# Altium PCB PCB1.PcbDoc
Units mm, origin at the board's own origin, x right, y up, seen from the top; angles counter-clockwise.
Board outline 128.27 x 60 mm, 2 copper layers (Top Layer, Bottom Layer); 147 components, 98 nets, 406 pads, 161 vias.
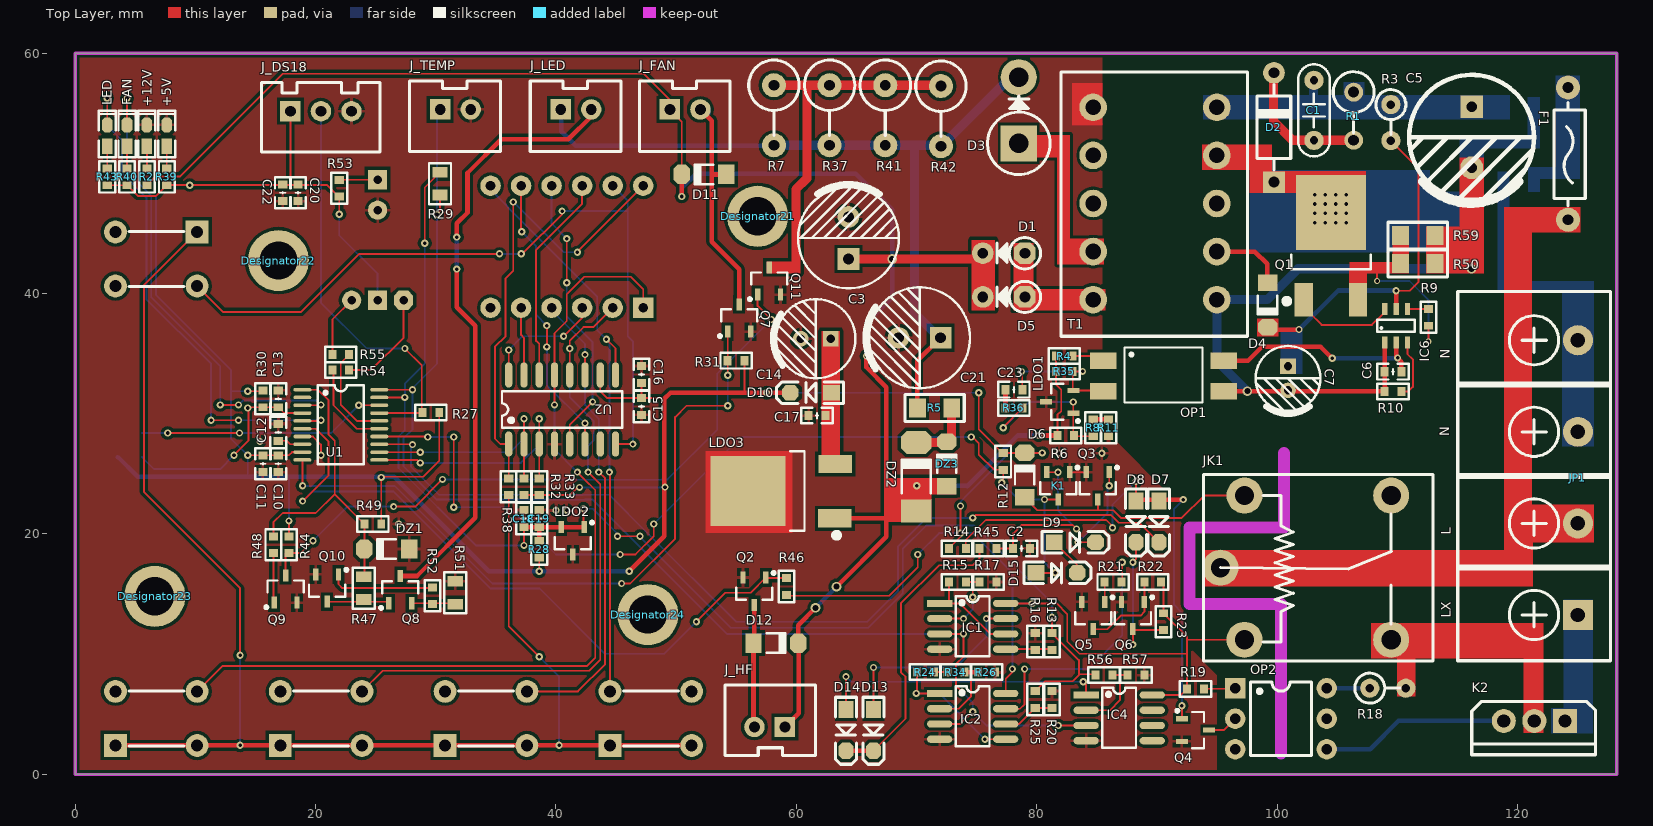
[diagram p0: Top Layer view]
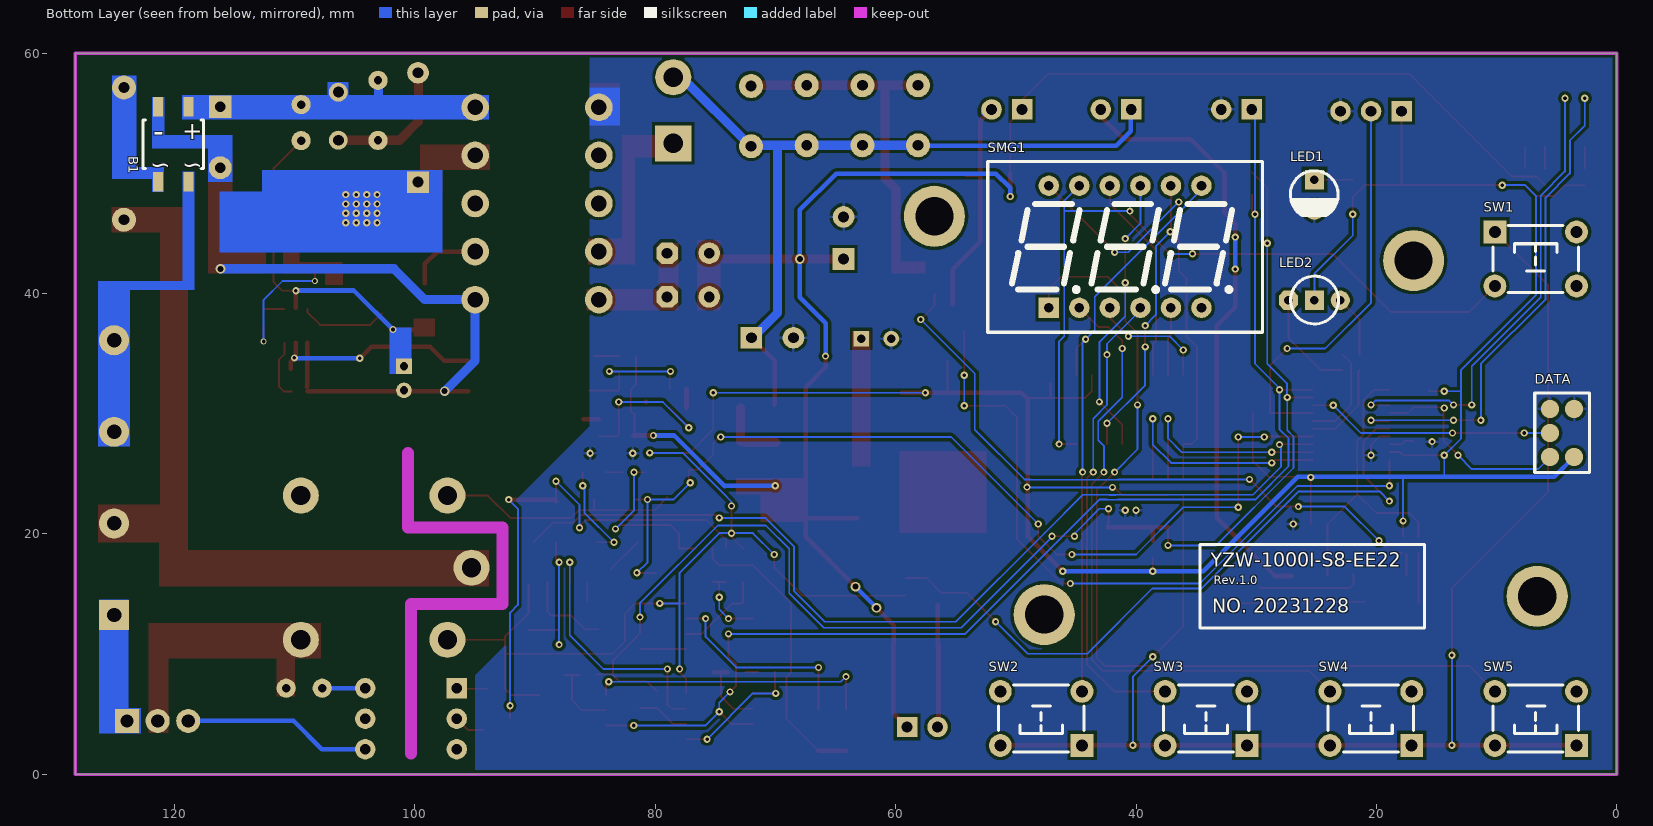
[diagram p1: Bottom Layer view, seen from below]

## Layer stack, top to bottom
Top Solder: solder mask 0.0102, Solder Resist, Dk 3.5
Top Layer: signal copper 0.0356
Dielectric 1: dielectric 0.32, FR-4, Dk 4.8
Bottom Layer: signal copper 0.0356
Bottom Solder: solder mask 0.0102, Solder Resist, Dk 3.5

## Board outline
0,0 0,60 128.27,60 128.27,0

## Design rules (kind name [scope] priority, off if disabled: settings)
Clearance [All] p1: gap=0.254
PolygonConnect [All] p1: connectstyle=Relief reliefconductorwidth=0.254 reliefentries=4 polygonreliefangle="90 Angle" airgapwidth=0.254
RoomDefinition LED [InComponentClass('LED')] p1: confinementstyle=ConfineIn formatcopy=TRUE lockcomponents=FALSE outline -0.127,-0.325 77.597,-0.325 77.597,60.071 -0.127,60.071
RoomDefinition 5V [InComponentClass('5V')] p2: confinementstyle=ConfineIn formatcopy=TRUE lockcomponents=FALSE outline -0.254,-0.127 77.597,-0.127 77.597,59.817 -0.254,59.817
RoomDefinition MCU [InComponentClass('MCU')] p3: confinementstyle=ConfineIn formatcopy=TRUE lockcomponents=FALSE outline -0.381,0 77.724,0 77.724,60 -0.381,60
RoomDefinition LM358 [InComponentClass('LM358')] p4: confinementstyle=ConfineIn formatcopy=TRUE lockcomponents=FALSE outline -0.127,-0.198 128.016,-0.198 128.016,60.198 -0.127,60.198
RoomDefinition AC [InComponentClass('AC')] p5: confinementstyle=ConfineIn formatcopy=TRUE lockcomponents=FALSE outline 0,-0.254 128.27,-0.254 128.27,60 0,60
RoutingVias [All] p1: holewidth=0.3 width=0.6 viastyle="Through Hole" minholewidth=0.3 minwidth=0.6 maxholewidth=0.5 maxwidth=1
SolderMaskExpansion [All] p1: expansion=0.102
UnpouredPolygon [All] p1: allowunpoured=FALSE
Width [All] p1: maxlimit=0.762 minlimit=0.152 preferedwidth=0.381
29 further rules are at their usual default settings.

## Classes and differential pairs
component class AC: +5V +12V B1 C1 C3 C5 C6 C7 C21 C23 D1 D2 D3 D4 D5 DZ2 DZ3 F1 IC6 JP1 LDO1 OP1 Q1 Q9 Q11 R1 R2 R3 R4 R5 R6 R7 R8 R9 R10 R11 R35 R36 R37 R39 R41 R42 R44 R48 R50 R59 T1
component class LM358: C2 D6 D7 D8 D9 D13 D14 D15 IC1 IC2 IC4 JK1 K1 K2 OP2 Q3 Q4 Q5 Q6 R12 R13 R14 R15 R16 R17 R18 R19 R20 R21 R22 R23 R24 R25 R26 R34 R45 R56 R57
component class MCU: C10 C11 C12 C13 C15 C16 C18 C19 C20 C22 D11 D12 DATA FAN J_DS18 J_FAN J_HF J_TEMP LDO2 LED LED1 LED2 Q2 Q7 R27 R28 R29 R30 R31 R32 R33 R38 R40 R43 R46 R53 R54 R55 SMG1 SW1 SW2 SW3 SW4 SW5 U1 U2
component class 5V: C14 C17 D10 LDO3
component class LED: DZ1 J_LED Q8 Q10 R47 R49 R51 R52

## Components (designator, comment, footprint, x,y, rotation, side; value= is the part's Value field where it differs from the comment)
+5V "G" "LED 0603B" 7.62,53.142 r90 top
+12V "Y" "LED 0603B" 5.969,53.142 r90 top
B1 "MB10F" "D MBF" 120.117,52.426 r90 bottom
C1 "04.Cap" "CY 5*7" 103.073,55.245 r270 top
C2 "04.Cap" "C 0603" 78.74,18.796 r0 top
C3 "05.Cap-EC" "CAP 16v1000uf（8*11）" 64.338,44.628 r90 top
C5 "05.Cap-EC" "CAP 450v10uf（10*16）" 116.205,53.01 r270 top
C6 "04.Cap" "C 0603" 109.652,33.503 r180 top
C7 "05.Cap-EC" "CAP 50v10uf（5*8）" 100.914,32.944 r270 top
C10 "04.Cap" "C 0603" 16.891,25.843 r270 top
C11 "04.Cap" "C 0603" 15.621,25.843 r270 top
C12 "04.Cap" "C 0603" 16.891,28.448 r90 top
C13 "04.Cap" "C 0603" 16.891,31.242 r90 top
C14 "05.Cap-EC" "CAP 16v330uf（6*8）" 61.62,36.246 r180 top
C15 "04.Cap" "C 0603" 47.117,30.607 r270 top
C16 "04.Cap" "C 0603" 47.117,33.274 r90 top
C17 "04.Cap" "C 0603" 61.722,29.845 r180 top
C18 "04.Cap" "C 0603" 37.338,21.274 r90 top
C19 "04.Cap" "C 0603" 38.608,21.274 r90 top
C20 "04.Cap" "C 0603" 18.542,48.387 r270 top
C21 "05.Cap-EC" "CAP 63V100uf（8*11）" 70.256,36.322 r180 top
C22 "04.Cap" "C 0603" 17.272,48.387 r270 top
C23 "04.Cap" "C 0603" 78.105,32.004 r180 top
D1 "1N5819" DO-41V 77.267,43.358 r180 top
D2 "FR107" DO-41 99.746,53.823 r90 top
D3 "FR307" DO-201ADV 78.511,52.502 r90 top
D4 "1N4148" "D 1N4148-LL34" 99.212,39.065 r270 top
D5 "1N5819" DO-41V 77.267,39.726 r180 top
D6 "1N4148" "D 1N4148-LL34" 78.994,24.892 r90 top
D7 "1N5819" "D 1N5819W-SOD123" 90.17,21.026 r270 top
D8 "1N5819" "D 1N5819W-SOD123" 88.265,21.026 r270 top
D9 "1N4007" "D 1N4007-SOD123" 83.185,19.304 r0 top
D10 "1N5819" "D 1N5819W-SOD123" 61.214,31.75 r180 top
D11 "1N4148" "D 1N4148-LL34" 52.324,49.911 r180 top
D12 "1N4148" "D 1N4148-LL34" 58.293,10.922 r0 top
D13 "1N5819" "D 1N5819W-SOD123" 66.421,3.683 r270 top
D14 "1N5819" "D 1N5819W-SOD123" 64.135,3.683 r270 top
D15 "1N4007" "D 1N4007-SOD123" 81.661,16.764 r0 top
DATA "WR_STM-SWIM" MCU_WRITE 4.555,28.399 r90 bottom
Designator21 "Comment" "M3 125X200" 56.784,46.433 r0 top
Designator22 "Comment" "M3 125X200" 16.906,42.75 r0 top
Designator23 "Comment" "M3 125X200" 6.619,14.81 r0 top
Designator24 "Comment" "M3 125X200" 47.64,13.286 r0 top
DZ1 "4V7" "D ZMM4V7-LL34" 25.923,18.747 r180 top
DZ2 "27V" "D 1N4750/1W/27V/LL41" 69.977,24.765 r90 top
DZ3 "27V-LL34" "D ZMM4V7-LL34" 72.517,25.832 r90 top
F1 "11.Fuse" "FU 3x10" 124.221,51.64 r90 top
FAN "R" "LED 0603B" 4.318,53.142 r90 top
IC1 "LM358" SOP8 74.676,12.319 r0 top
IC2 "LM358" SOP8 74.676,4.826 r0 top
IC4 "LM358" SOP8 86.868,4.699 r0 top
IC6 "OB2263" SOT23-6L 109.906,37.313 r0 top
J_DS18 "Pin03" "XH2.54 3P" 20.447,55.174 r0 top
J_FAN "Pin02" "XH2.54 2P" 50.749,55.321 r0 top
J_HF "Pin02" "XH2.54 2P" 57.785,3.937 r180 top
J_LED "Pin02" "XH2.54 2P" 41.671,55.323 r0 top
J_TEMP "Pin02" "XH2.54 2P" 31.638,55.323 r0 top
JK1 "SRD-05VDC-SL-C" SRD-C_B 97.297,23.192 r0 top
JP1 "Pin04" KF7620-4P 121.387,24.689 r90 top
K1 "MCR100" "IGBT MCR100-SOT23" 81.788,24.003 r270 top
K2 "BT139" "IGBT BT139" 121.412,4.445 r180 top
LDO1 "TL431" "P TL431-SOT23" 81.915,30.988 r180 top
LDO2 "TL431" "P TL431-SOT23" 41.402,19.431 r270 top
LDO3 "78xx" 78M05 60.173,23.571 r90 top
LED "R" "LED 0603B" 2.667,53.142 r90 top
LED1 "R" "LED 3mm R" 25.161,48.211 r270 bottom
LED2 "15.Diode - PLED - double" "LED 3mm R/G" 25.161,39.448 r0 bottom
OP1 "PC817" "OP PC817-SMD" 90.551,33.147 r0 top
OP2 "PC817" "OP MOC3041" 100.33,4.628 r0 top
Q1 "4N60" FET-AOD4N60/600V/4A-TO252 104.496,42.545 r0 top
Q2 "AO3400" FET-AO3400-SOT23 56.515,15.24 r270 top
Q3 "S8050" BJT-S8050-SOT23 85.09,24.003 r270 top
Q4 "S8050" BJT-S8050-SOT23 93.218,3.683 r0 top
Q5 "S8050" BJT-S8050-SOT23 84.709,13.208 r270 top
Q6 "S8050" BJT-S8050-SOT23 88.011,13.208 r270 top
Q7 "AO3400" FET-AO3400-SOT23 55.245,37.973 r90 top
Q8 "MMBTA05" BJT-MMBTA05/60V/0.5A-SOT23 27.051,15.367 r90 top
Q9 "S8050" BJT-S8050/40V/1.5A-SOT23 17.501,15.418 r90 top
Q10 "S8050" BJT-S8050-SOT23 20.955,15.494 r270 top
Q11 "MMBTA05" BJT-MMBTA05/60V/0.5A-SOT23 57.734,41.046 r90 top
R1 "47K" "RS 1/2W-V4" 106.375,54.762 r270 top
R2 "2K" "R 0603" 5.969,49.713 r270 top
R3 "1M" "RS 1/4W-V3" 109.474,54.229 r270 top
R4 "1K" "R 0603" 82.296,34.798 r180 top
R5 "10R" "R 1206" 71.501,30.48 r0 top
R6 "20K" "R 0603" 82.423,28.194 r180 top
R7 "4K" "RS 1W-V5" 58.141,54.839 r270 top
R8 "4.7K" "R 0603" 84.709,28.829 r270 top
R9 "1K" "R 0603" 112.598,38.024 r270 top
R10 "100K" "R 0603" 109.652,31.852 r0 top
R11 "470R" "R 0603" 85.979,28.829 r90 top
R12 "4.7K" "R 0603" 77.216,26.035 r90 top
R13 "2K" "R 0603" 81.28,11.049 r90 top
R14 "10K" "R 0603" 73.406,18.796 r180 top
R15 "20K" "R 0603" 73.406,16.002 r180 top
R16 "10K" "R 0603" 79.883,11.049 r270 top
R17 "1K" "R 0603" 75.946,16.002 r180 top
R18 "300R" "RS 1/4W-V3" 109.22,7.168 r0 top
R19 "470R" "R 0603" 93.218,7.112 r0 top
R20 "2K" "R 0603" 79.883,6.223 r90 top
R21 "1K" "R 0603" 86.36,16.002 r0 top
R22 "10K" "R 0603" 89.662,16.002 r0 top
R23 "10K" "R 0603" 90.551,12.7 r90 top
R24 "4.7K" "R 0603" 70.739,8.509 r180 top
R25 "10K" "R 0603" 81.28,6.223 r270 top
R26 "1K" "R 0603" 75.819,8.509 r180 top
R27 "4.7K" "R 0603" 29.591,30.099 r0 top
R28 "200R" "R 0603" 38.608,18.734 r270 top
R29 "10K 1%" "R 0805" 30.353,49.149 r90 top
R30 "10K" "R 0603" 15.621,31.242 r90 top
R31 "10K" "R 0603" 54.991,34.417 r0 top
R32 "10K" "R 0603" 37.338,23.932 r270 top
R33 "10K" "R 0603" 38.608,23.932 r270 top
R34 "2K" "R 0603" 73.279,8.509 r180 top
R35 "*" "R 0603" 82.296,33.528 r180 top
R36 "3.3K" "R 0603" 78.105,30.48 r0 top
R37 "4K" "RS 1W-V5" 62.772,54.839 r270 top
R38 "2K" "R 0603" 36.068,23.932 r270 top
R39 "1K" "R 0603" 7.62,49.713 r270 top
R40 "1K" "R 0603" 4.318,49.713 r270 top
R41 "4K" "RS 1W-V5" 67.403,54.839 r270 top
R42 "4K" "RS 1W-V5" 72.034,54.762 r270 top
R43 "1K" "R 0603" 2.667,49.713 r270 top
R44 "10K" "R 0603" 17.78,19.101 r90 top
R45 "4.7K" "R 0603" 75.946,18.796 r0 top
R46 "10K" "R 0603" 59.182,15.621 r270 top
R47 "1K" "R 0805" 24.003,15.494 r270 top
R48 "1K" "R 0603" 16.485,19.101 r270 top
R49 "4.7k" "R 0603" 24.765,20.828 r0 top
R50 "1R" "R 1206" 111.711,42.516 r180 top
R51 "13R" "R 0805" 31.623,15.113 r270 top
R52 "1K" "R 0603" 29.718,14.859 r270 top
R53 "1K" "R 0603" 21.971,48.768 r270 top
R54 "470R" "R 0603" 22.098,33.655 r0 top
R55 "470R" "R 0603" 22.098,34.925 r180 top
R56 "10K" "R 0603" 85.598,8.255 r180 top
R57 "100K" "R 0603" 88.265,8.255 r180 top
R59 "1R" "R 1206" 111.711,44.816 r180 top
SMG1 "3631A" "SMG 0.36-3P" 40.909,43.893 r180 bottom
SW1 "TSW DIP-6x6" "TSW DIP-6*6" 6.746,42.877 r180 bottom
SW2 "TSW DIP-6x6" "TSW DIP-6*6" 47.894,4.65 r0 bottom
SW3 "TSW DIP-6x6" "TSW DIP-6*6" 34.178,4.65 r0 bottom
SW4 "TSW DIP-6x6" "TSW DIP-6*6" 20.462,4.65 r0 bottom
SW5 "TSW DIP-6x6" "TSW DIP-6*6" 6.746,4.65 r0 bottom
T1 "EE22-2" EE22 94.996,39.497 r180 top
U1 "STM8S003F3" TSSOP20 22.098,29.083 r0 top
U2 "TM1650" SOP16 40.513,30.353 r90 top

## Footprints (in the part's own frame and the unit in brackets; to place one, negate y for a bottom-side part, rotate by r counter-clockwise, add the part's x,y. Pads: shape width x height; smd on the part's side, far side on the other; paste and mask are expansions set on the pad)
78M05 [mil] "252晶体管"
  rect 230x245 smd: GND(0,165.35)
  rect 60x110 smd: VIN(-89.55,-119.77) VOUT(88.45,-120.77)
  silkscreen extent -153,-133 130,28, body extent -128,-120 128,251, height 91
BJT-MMBTA05/60V/0.5A-SOT23 [mm]
  rect 1x0.45 smd: B(-1.134,0.95) C(1.134,0) E(-1.134,-0.95)
  silkscreen extent -1.64,-1.5 0.71,1.72, body extent -1.19,-1.5 1.21,1.5, height 1.05
BJT-S8050-SOT23 [mm]
  rect 1x0.45 smd: B(-1.134,0.95) C(1.134,0) E(-1.134,-0.95)
  silkscreen extent -1.64,-1.5 0.71,1.73, body extent -1.19,-1.5 1.21,1.5, height 1.05
BJT-S8050/40V/1.5A-SOT23 [mm]
  rect 1x0.45 smd: B(-1.134,0.95) C(1.134,0) E(-1.134,-0.95)
  silkscreen extent -1.64,-1.5 0.71,1.72, body extent -1.19,-1.5 1.21,1.5, height 1.05
"C 0603" [mm]
  rect 0.662x0.762 smd: 1(-0.7,0) 2(0.7,0)
  silkscreen extent -1.3,-0.65 1.3,0.65, body extent -0.8,-0.41 0.8,0.41, height 0.81
"CAP 16v330uf（6*8）" [mm]
  rect 1.3x1.3 hole 0.7: 1(-1.25,0)
  round 1.3 hole 0.7: 2(1.25,0)
  silkscreen extent -3.3,-3.3 3.56,3.3, body extent -3.15,-3.15 3.16,3.15, height 7.04
"CAP 16v1000uf（8*11）" [mm] "脚距3.5mm直径8mm高度11.5mm"
  rect 1.8x1.8 hole 0.9: 1(-1.75,0)
  round 1.8 hole 0.9: 2(1.75,0)
  silkscreen extent -4.2,-4.2 4.5,4.2, body extent -4,-4 4.01,4, height 11.54
"CAP 50v10uf（5*8）" [mm]
  rect 1.3x1.3 hole 0.7: 1(-1,0)
  round 1.3 hole 0.7: 2(1,0)
  silkscreen extent -2.7,-2.7 2.96,2.7, body extent -2.5,-2.5 2.51,2.5, height 11.04
"CAP 63V100uf（8*11）" [mm] "脚距3.5mm直径8mm高度11.5mm"
  rect 1.8x1.8 hole 0.9: 1(-1.75,0)
  round 1.8 hole 0.9: 2(1.75,0)
  silkscreen extent -4.2,-4.2 4.5,4.2, body extent -4,-4 4.01,4, height 11.54
"CAP 450v10uf（10*16）" [mm] "脚距5mm直径10mm高度16mm"
  rect 1.9x1.9 hole 0.9: 1(-2.54,0)
  round 1.9 hole 0.9: 2(2.54,0)
  silkscreen extent -5.19,-5.21 5.51,5.19, body extent -5,-5 5.01,5, height 16.04
"CY 5*7" [mm]
  round 1.6 hole 0.7: 1(-2.5,0) 2(2.5,0)
  silkscreen extent -3.83,-1.31 3.83,1.31, body extent -3.5,-1.25 3.5,1.25, height 7
"D 1N4007-SOD123" [mil]
  rect 55x50 smd: A(-67.5,0)
  oct 55x50 smd: K(67.5,0)
  silkscreen extent -108,-35 112,35, body extent -73,-31 73,31, height 48
"D 1N4148-LL34" [mm]
  rect 1.37x1.62 smd: A(-1.855,0)
  oct 1.37x1.62 smd: K(1.855,0)
  silkscreen extent -0.76,-0.8 0.78,0.8, body extent -1.7,-0.75 1.7,0.75, height 1.5
"D 1N4750/1W/27V/LL41" [mm] "2.4*5.3mm(直径，脚距）"
  rect 1.9x2.54 smd: A(-2.85,0)
  oct 1.9x2.54 smd: K(2.85,0)
  silkscreen extent -1.4,-1.2 1.4,1.2, body extent -2.65,-1.2 2.65,1.2, height 2.4
"D 1N5819W-SOD123" [mil]
  rect 55x50 smd: A(-67.5,0)
  oct 55x50 smd: K(67.5,0)
  silkscreen extent -108,-35 112,35, body extent -73,-31 73,31, height 48
"D MBF" [mm] "4.7*7*1.5mm(长宽高)"
  rect 1.6x0.85 smd: AC1(-3.127,1.27) AC2(-3.127,-1.27) DC+(3.127,-1.27) DC-(3.127,1.27)
  silkscreen extent -2.01,-2.51 2.01,2.51, body extent -3.5,-2.35 3.5,2.35, height 1.6
"D ZMM4V7-LL34" [mm]
  rect 1.37x1.62 smd: A(-1.855,0)
  oct 1.37x1.62 smd: K(1.855,0)
  silkscreen extent -0.76,-0.8 0.78,0.8, body extent -1.7,-0.75 1.7,0.75, height 1.5
DO-41 [mm]
  rect 1.8x1.8 hole 0.9: A(-4.55,0)
  round 1.8 hole 0.9: K(4.55,0)
  silkscreen extent -3.56,-1.4 3.56,1.4, body extent -4.92,-1.29 4.98,1.31, height 2.65
DO-41V [mm]
  oct 1.8x1.8 hole 0.9: A(-1.75,0)
  round 1.8 hole 0.9: K(1.75,0)
  silkscreen extent -3.05,-1.3 0.55,1.3, body extent -3.05,-1.3 2.15,1.3, height 6.9
DO-201ADV [mm] "5.2*5.5mm(直径，脚距）"
  rect 3x3 hole 1.6: A(0,0)
  round 3 hole 1.6: K(5.5,0)
  silkscreen extent -2.6,-2.6 3.94,2.6, body extent -2.6,-2.6 6.15,2.6, height 12
EE22 [mm]
  round 2.3 hole 1.3: 1(0,0) 2(0,-4) 3(0,-8) 4(0,-12) 5(0,-16.002) 6(10.3,-16.002) 7(10.3,-12.001) 8(10.3,-8.001) 9(10.3,-4) 10(10.3,0)
  silkscreen extent -2.55,-18.95 12.95,3.05
FET-AO3400-SOT23 [mm] "30V/3A"
  rect 1x0.45 smd: D(1.134,0) G(-1.134,0.95) S(-1.134,-0.95)
  silkscreen extent -1.64,-1.5 0.71,1.73, body extent -1.19,-1.5 1.21,1.5, height 1.05
FET-AOD4N60/600V/4A-TO252 [mil] "252晶体管"
  rect 230x245 smd: D(0,165.35)
  rect 60x110 smd: G(-89.55,-119.77) S(88.45,-120.77)
  silkscreen extent -153,-133 130,28, body extent -128,-120 128,251, height 91
"FU 3x10" [mm]
  round 2 hole 0.9: 1(-5.5,0) 2(5.5,0)
  silkscreen extent -4.36,-1.43 4.28,1.17
"IGBT BT139" [mm] "220，3脚晶体管"
  round 2 hole 1.1: G(2.54,0) T2(0,0)
  rect 2x2 hole 1.1: T1(-2.54,0)
  silkscreen extent -5.08,-1.6 5.21,2.82, body extent -5.15,-1.53 5.15,2.9, height 18.5
"IGBT MCR100-SOT23" [mm]
  rect 1x0.45 smd: A(1.134,0) G(-1.134,-0.95) K(-1.134,0.95)
  silkscreen extent -1.64,-1.5 0.71,1.73, body extent -1.19,-1.5 1.21,1.5, height 1.05
KF7620-4P [mm] "30.5*12*12mm(长宽高)"
  rect 2.5x2.5 hole 1.2: 1(-11.43,-3.65)
  round 2.5 hole 1.2: 2(-3.81,-3.65) 3(3.81,-3.65) 4(11.43,-3.65)
  silkscreen extent -15.24,-6.35 15.49,6.35, body extent -15.24,-6.2 15.94,6.2, height 12.45
"LED 3mm R" [mm]
  rect 1.6x1.6 hole 0.7: A(-1.27,0)
  round 1.6 hole 0.7: K(1.27,0)
  silkscreen extent -2.01,-2 1.72,1.98, body extent -1.95,-1.95 1.64,1.95, height 5.55
"LED 3mm R/G" [mm]
  rect 1.6x1.6 hole 0.7: A(0,0)
  round 1.6 hole 0.7: G(-2.159,0)
  oct 1.6x1.6 hole 0.7: R(2.159,0)
  silkscreen extent -2.01,-2 1.97,1.98
"LED 0603B" [mil] "蓝色0603LED"
  rect 50x35 smd: A(-35,0.26)
  oct 50x35 smd: K(35,0.26)
  silkscreen extent -71,-28 81,28, body extent -31,-16 32,16, height 24
"M3 125X200" [mm] "M3螺丝孔，孔125Mil，焊盘200Mil"
  round 5.08 hole 3.175: 1(0,0)
MCU_WRITE [mil]
  round 60 smd: 1(-78.74,-39.37) 2(-78.74,39.37) 3(0,39.37) 4(78.74,39.37) 5(78.74,-39.37)
  silkscreen extent -129,-91 131,89
"OP MOC3041" [mm] "6.8*7.6*3.8(长宽高）"
  round 1.7 hole 0.9: 3(-3.81,-2.54) 5(3.81,0) C(3.81,2.54) E(3.81,-2.54) K(-3.81,0)
  rect 1.7x1.7 hole 0.9: A(-3.81,2.54)
  silkscreen extent -2.54,-3.05 2.54,3.05, body extent -3.93,-3.43 3.93,3.43, height 4.5
"OP PC817-SMD" [mm]
  rect 2.2x1.4 smd: A(-5,1.27) C(5,1.27) E(5,-1.27) K(-5,-1.27)
  silkscreen extent -3.25,-2.21 3.25,2.37
"P TL431-SOT23" [mm]
  rect 1x0.45 smd: A(1.134,0) K(-1.134,-0.95) R(-1.134,0.95)
  silkscreen extent -1.64,-1.5 0.71,1.72, body extent -1.19,-1.5 1.21,1.5, height 1.05
"R 0603" [mm]
  rect 0.662x0.762 smd: 1(-0.7,0) 2(0.7,0)
  silkscreen extent -1.3,-0.65 1.3,0.65, body extent -0.8,-0.4 0.8,0.4, height 0.4
"R 0805" [mm]
  rect 0.889x1.27 smd: 1(-0.95,0) 2(0.95,0)
  silkscreen extent -1.7,-0.91 1.7,0.91, body extent -1,-0.62 1,0.63, height 0.5
"R 1206" [mil]
  rect 55x62 smd: 1(-56.1,0) 2(56.1,0)
  silkscreen extent -97,-44 97,44, body extent -64,-31 62,32, height 22
"RS 1/2W-V4" [mm]
  round 1.575 hole 0.9: 1(-2,0) 2(2,0)
  silkscreen extent -3.7,-1.7 1.4,1.7, body extent -3.51,-1.51 2.25,1.51, height 10.75
"RS 1/4W-V3" [mm]
  round 1.6 hole 0.7: 1(-1.5,0) 2(1.5,0)
  silkscreen extent -2.75,-1.25 1,1.25, body extent -2.66,-1.16 1.73,1.16, height 7.42
"RS 1W-V5" [mm]
  round 2 hole 0.9: 1(-2.5,0) 2(2.5,0)
  silkscreen extent -4.6,-2.1 1.7,2.1, body extent -4.51,-2.01 2.8,2.01, height 13.3
"SMG 0.36-3P" [mm] "22.5*14*7.2mm(长宽厚)"
  rect 1.7x1.7 hole 0.8: 1(-6.35,-5.08)
  round 1.7 hole 0.8: 2(-3.81,-5.08) 3(-1.27,-5.08) 4(1.27,-5.08) 5(3.81,-5.08) 6(6.35,-5.08) 7(6.35,5.08) 8(3.81,5.08) 9(1.27,5.08) 10(-1.27,5.08) 11(-3.81,5.08) 12(-6.35,5.08)
  silkscreen extent -11.43,-7.11 11.43,7.11, body extent -11.25,-7 11.25,7, height 7.2
SOP8 [mm] "5*6*1.8mm（长宽高）"
  rect 2.1x0.6 smd: 1(-2.75,1.905)
  oval 2.1x0.6 smd: 2(-2.75,0.635) 3(-2.75,-0.635) 4(-2.75,-1.905) 5(2.75,-1.905) 6(2.75,-0.635) 7(2.75,0.635) 8(2.75,1.905)
  silkscreen extent -1.4,-2.5 1.4,2.5, body extent -3,-2.5 3,2.5, height 1.9
SOP16 [mm] "10.3*6.2*1.8mm（长宽高）"
  oval 2.1x0.6 smd: 1(-2.875,4.445) 2(-2.875,3.175) 3(-2.875,1.905) 4(-2.875,0.635) 5(-2.875,-0.635) 6(-2.875,-1.905) 7(-2.875,-3.175) 8(-2.875,-4.445) 9(2.875,-4.445) 10(2.875,-3.175) 11(2.875,-1.905) 12(2.875,-0.635) 13(2.875,0.635) 14(2.875,1.905) 15(2.875,3.175) 16(2.875,4.445)
  silkscreen extent -1.52,-5 1.52,5, body extent -3,-5 3,5, height 1.9
SOT23-6L [mm] "3x1.6x1.1mm(长宽高)"
  rect 0.45x1 smd: 1(-0.95,-1.397) 2(0,-1.397) 3(0.95,-1.397) 4(0.95,1.397) 5(0,1.397) 6(-0.95,1.397)
  silkscreen extent -1.55,-0.5 1.55,0.51, body extent -1.5,-1.4 1.5,1.4, height 1.15
SRD-C_B [mm] "单刀双投"
  round 3 hole 1.6: 1(0,0) 2(0,-12) 3(-2,-6) 4(12.2,0) 5(12.2,-12)
  silkscreen extent -3.4,-13.75 15.7,1.75, body extent -3.4,-13.75 15.7,1.75, height 15.6
TSSOP20 [mm] "6.5*6.4*1（长宽高）"
  oval 1.5x0.3 smd: 1(-3.2,2.925) 2(-3.2,2.275) 3(-3.2,1.625) 4(-3.2,0.975) 5(-3.2,0.325) 6(-3.2,-0.325) 7(-3.2,-0.975) 8(-3.2,-1.625) 9(-3.2,-2.275) 10(-3.2,-2.925) 11(3.2,-2.925) 12(3.2,-2.275) 13(3.2,-1.625) 14(3.2,-0.975) 15(3.2,-0.325) 16(3.2,0.325) 17(3.2,0.975) 18(3.2,1.625) 19(3.2,2.275) 20(3.2,2.925)
  silkscreen extent -1.9,-3.3 1.91,3.3, body extent -3.2,-3.25 3.2,3.25, height 1.03
"TSW DIP-6*6" [mm] "6*6*5mm"
  rect 1.9x1.9 hole 1: A(-3.4,2.25)
  round 1.9 hole 1: B(3.4,2.25) C(3.4,-2.25) D(-3.4,-2.25)
  silkscreen extent -3.56,-2.79 3.56,2.79, body extent -4.11,-3 4.11,3, height 4.95
"XH2.54 2P" [mm]
  rect 1.7x1.7 hole 0.9: 1(-1.27,0)
  round 1.7 hole 0.9: 2(1.27,0)
  silkscreen extent -3.81,-3.51 3.74,2.37, body extent -3.77,-3.3 3.77,2.4, height 7.05
"XH2.54 3P" [mm] "接插件，3P"
  rect 1.7x1.7 hole 0.9: 1(-2.54,0)
  round 1.7 hole 0.9: 2(0,0) 3(2.54,0)
  silkscreen extent -4.95,-3.38 4.93,2.39, body extent -5.04,-3.3 5.04,2.4, height 7.03

## Part data
+5V +12V FAN LED LED1: library part "15.Diode - LED", "LED"
B1: library part "14.Diode - Rectifier", "整流桥"
C1 C2 C6 C10 C11 C12 C13 C15 C16 C17 C18 C19 C20 C22 C23: "电容"
C3 C5 C7 C14 C21: "电解电容"
D1 D2 D3 D4 D5 D6 D7 D8 D9 D10 D11 D12 D13 D14 D15: library part 12.Diode, "二极管"
DZ1 DZ2 DZ3: library part "13.Diode - Zen", "稳压管"
F1: "保险丝"
IC1 IC2 IC4: "双路运放"
JK1: "5V一组转换"
K1: library part 20.IGBT, "单向可控硅-晶闸管"
K2: library part 19.IGBT-Bi, "双向可控硅-晶闸管"
LDO1 LDO2: "电压基准（out=Ref*(1+R1/R2)）"
LDO3: "线性稳压芯片"
OP1 OP2: library part 17.Optocoupler, "光耦"
Q1 Q2 Q7: library part 09.FET(N), "MOS管 NPN"
Q3 Q4 Q5 Q6 Q8 Q9 Q10 Q11: library part 07.BJT(N), "三极管 NPN"
R1 R2 R3 R4 R5 R6 R7 R8 R9 R10 R11 R12 R13 R14 R15 R16 R17 R18 R19 R20 R21 R22 R23 R24 R25 R26 R27 R28 R29 R30 R31 R32 R33 R34 R35 R36 R37 R38 R39 R40 R41 R42 R43 R44 R45 R46 R47 R48 R49 R50 R51 R52 R53 R54 R55 R56 R57 R59: library part 01.Res, "电阻"
SMG1: "0.36寸3位共阴数码管"
SW1 SW2 SW3 SW4 SW5: "6x6轻触开关"
U1: library part "STM8S003F3P6 - TSSOP20"
U2: "数码管驱动芯片"

## Via types
v1: diameter 0.6, hole 0.3, Top Layer to Bottom Layer, tented both sides, 136 vias
v2: diameter 0.6, hole 0.3, Top Layer to Bottom Layer, 18 vias
v3: diameter 0.8, hole 0.5, Top Layer to Bottom Layer, tented both sides, 5 vias
v4: diameter 0.5, hole 0.3, Top Layer to Bottom Layer, tented both sides, 2 vias
